# Altium PCB Arribada-PMP-PCB.PcbDoc (part 2 of 3) (continued)
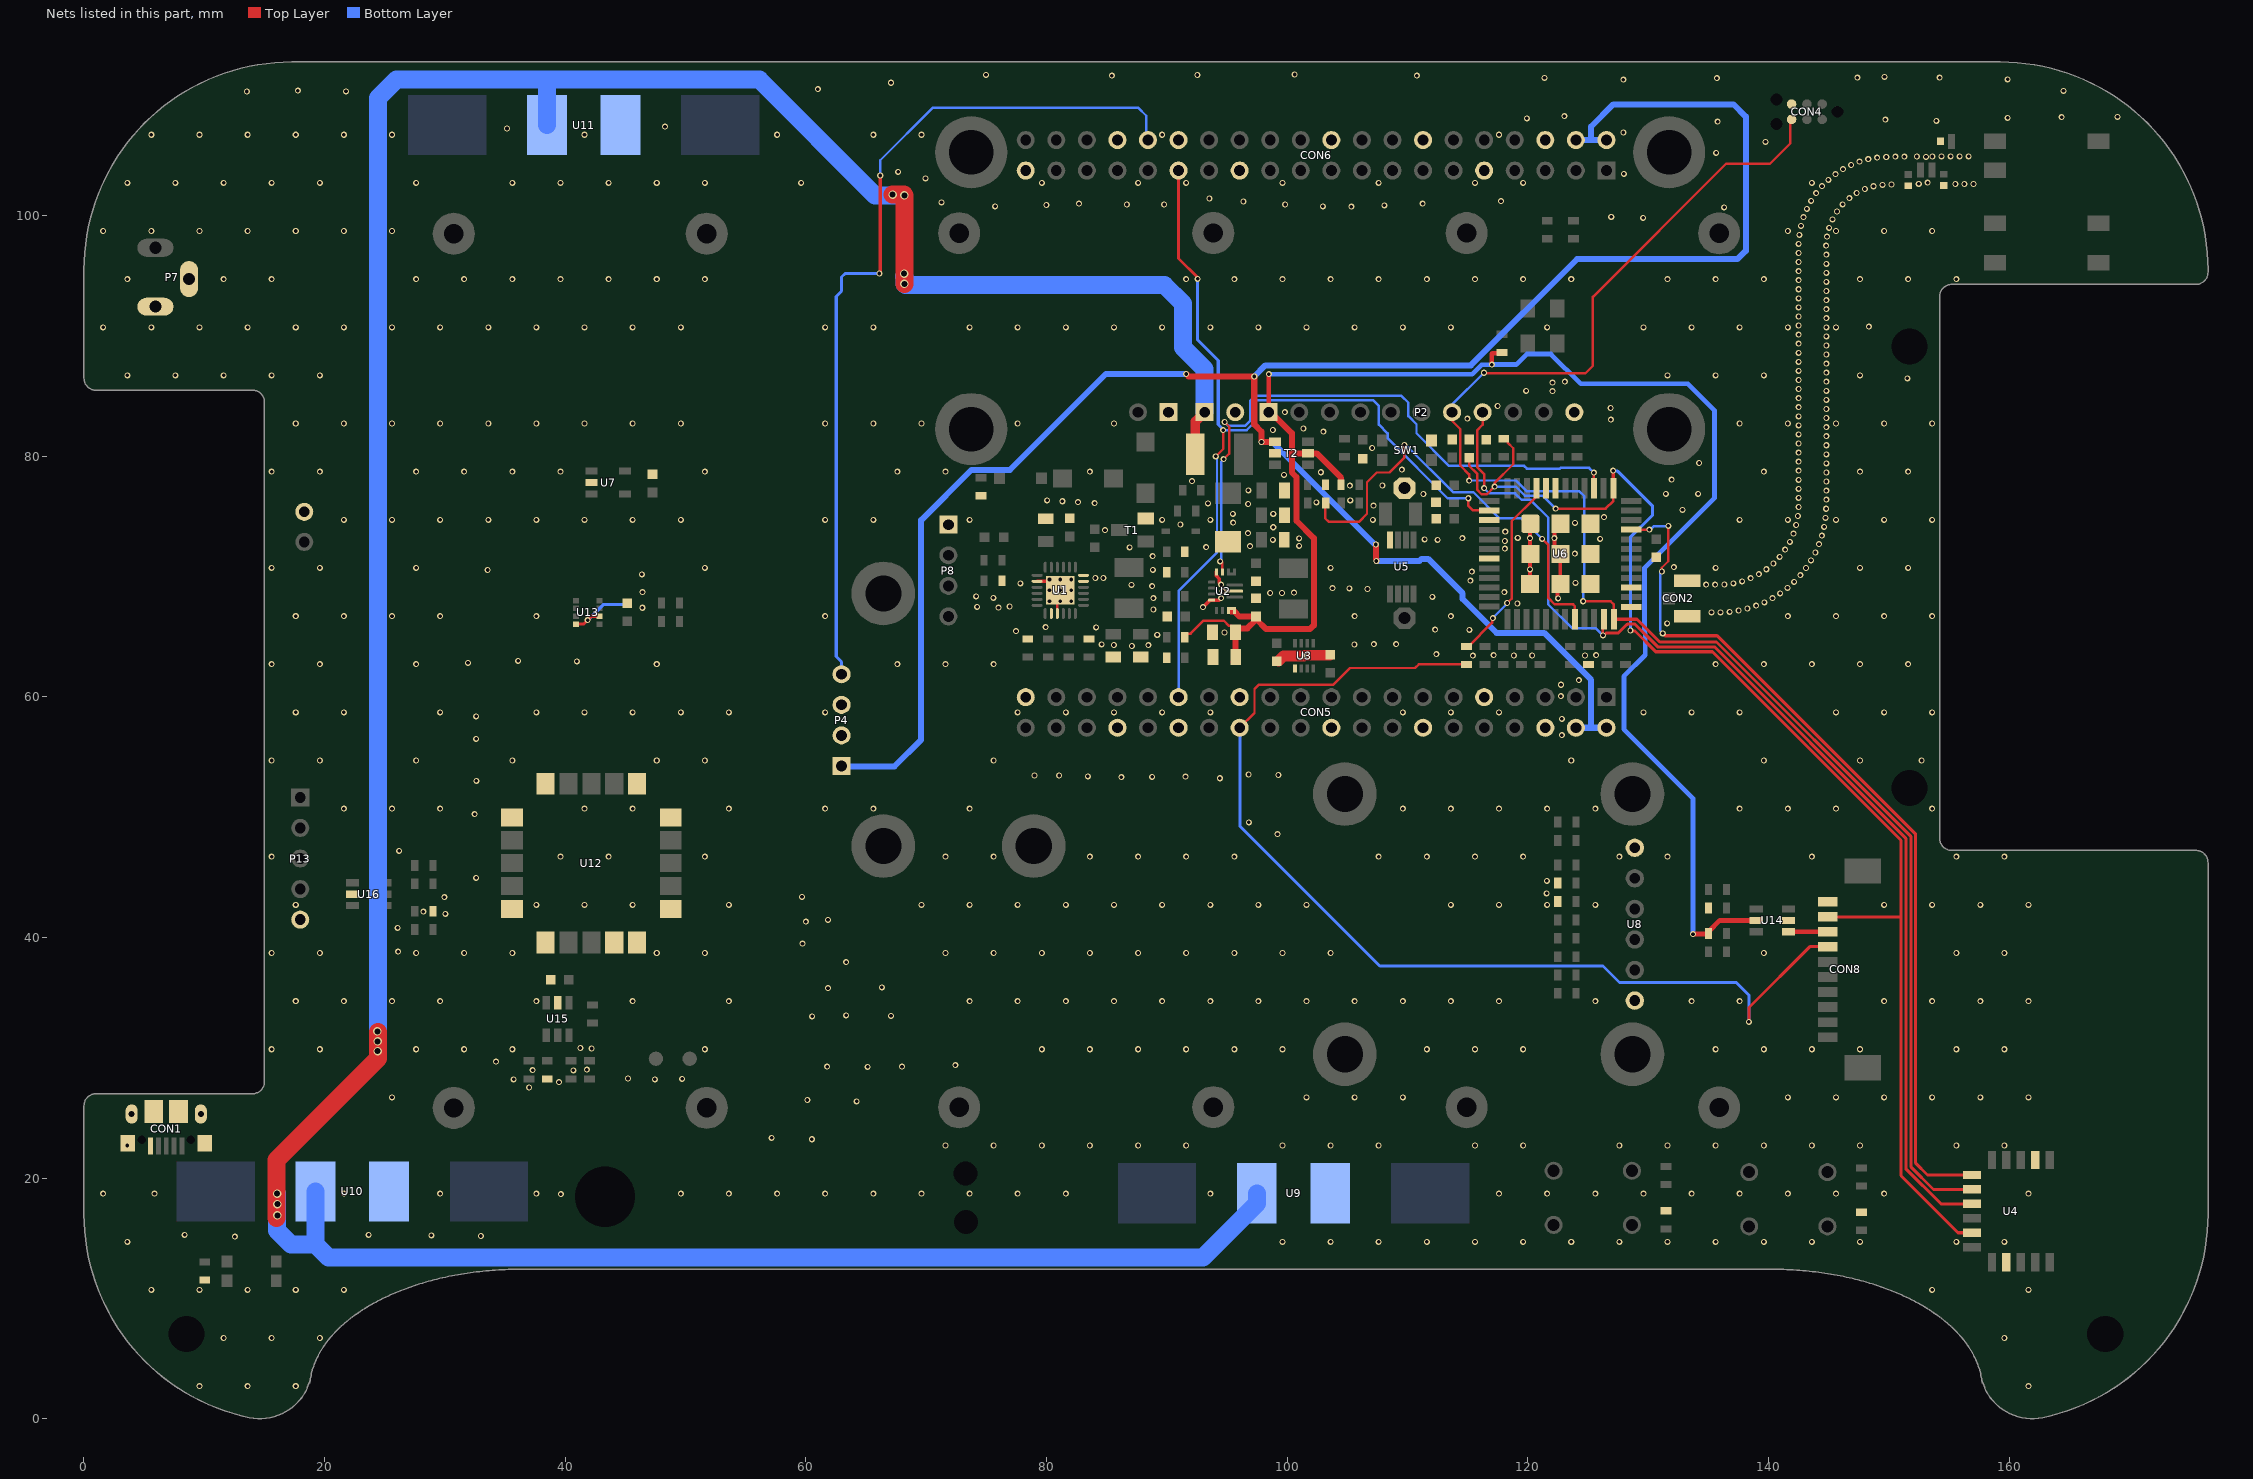
[diagram p2: the nets of this part, all layers, seen from the top]
## Part data (continued)
T1: "ON SEMICONDUCTOR/FAIRCHILD - MMBT3904 - TRANSISTOR, NPN, SOT-23", Collector Emitter Saturation Voltage Vce(on)=200, Collector Emitter Voltage V(br)ceo=40, Current Ic hFE=10, DC Current Gain hFE=300, Manufacturer="ON SEMICONDUCTOR/FAIRCHILD", Operating Temperature Max=150, Operating Temperature Min=-55, Operating Temperature Range="-55°C to +150", Power Dissipation Pd=350, Supplier Part Number 1=9846727, Transistor Case Style=SOT-23, Voltage Vcbo="60V<!--FANDB--><div class=\"features-and-benefits-container\"><div class=\"features-and-benefits-description\"><span class=\"features-benefits-value\">The MMBT3904 from Fairchild is a surface mount, NPN general purpose amplifier in SOT-23 package. This device is suitable for general purpose amplification and switching applications.</span></div><div class=\"features-and-benefits-list\"><ul class=\"features-and-benefits-list-list\"><li class=\"features-and-benefits-list-item\">Collector to emitter voltage (Vce) of 40V</li><li class=\"features-and-benefits-list-item\">Collector to emitter saturation voltage of 300mV at 50mA collector current</li><li class=\"features-and-benefits-list-item\">Power dissipation of 350mW</li><li class=\"features-and-benefits-list-item\">DC collector current of 200mA</li><li class=\"features-and-benefits-list-item\">DC current gain of 30 at Ic=100mA</li><li class=\"features-and-benefits-list-item\">Operating junction temperature range from -55°C to 150", Automotive Qualification Standard=-, ComponentLink1Description=http://www.farnell.com/datasheets/2304127.pdf, ComponentLink1URL=http://www.farnell.com/datasheets/2304127.pdf, ComponentLink2Description=http://www.farnell.com/datasheets/1942444.pdf, ComponentLink2URL=http://www.farnell.com/datasheets/1942444.pdf, Continuous Collector Current Ic Max=200, Current Ic Continuous a Max=200, DC Collector Current=200, Device Marking=BT3904, Gain Bandwidth ft Min=300, Gain Bandwidth ft Typ=300, hFE Min=100, Manufacturer Part Number=MMBT3904, MSL="MSL 1 - Unlimited", No. of Pins=3, No. of Transistors=1, Noise Factor Max=5, Packaging="Cut Tape", Power Dissipation Ptot Max=350, Pricing 1="5=0.121, 50=0.043, 250=0.0401, 500=0.0261, 1500=0.0256 (GBP)", Product Range=-, RoHS=YES, SMD Marking=1, Stock 1=54090, Supplier 1=Farnell, SVHC="No SVHC (15-Jun-2015)", Transistor Polarity=NPN, Transition Frequency ft=300
T2: "DIODES INC. - DMG6602SVT - MOSFET, NP CH, , 30V, 3.4, ATSOT23", Continuous Drain Current Id=3.4, Continuous Drain Current Id, P Channel=-2.8, Drain Source Voltage Vds=30, Drain Source Voltage Vds, P Channel=-30, Manufacturer="DIODES INC.", On Resistance Rds(on)=0.038, On Resistance Rds(on), P Channel=0.073, Operating Temperature Max=150, Operating Temperature Min=-55, Operating Temperature Range="-55°C to +150°C<!--FANDB--><div class=\"features-and-benefits-container\"><div class=\"features-and-benefits-description\"><span class=\"features-benefits-value\">The DMG6602SVT from Diode Inc is a surface mount complementary pair enhancement mode MOSFET in TSOT-26 package. This MOSFET features low input capacitance, fast switching speed and low input/output leakage, designed to minimize the onstate resistance and maintain superior switching performance, making it ideal for high efficiency power management applications and backlighting.</span></div><div class=\"features-and-benefits-list\"><ul class=\"features-and-benefits-list-list\"><li class=\"features-and-benefits-list-item\">Automotive grade AEC-Q101 qualified</li><li class=\"features-and-benefits-list-item\">UL recognized</li><li class=\"features-and-benefits-list-item\">Drain to source voltage (Vds) of 30V</li><li class=\"features-and-benefits-list-item\">Gate to source voltage (Vgs) of ±20V</li><li class=\"features-and-benefits-list-item\">Continuous drain current of 3.4A</li><li class=\"features-and-benefits-list-item\">Power dissipation (Pd) of 1.27W</li><li class=\"features-and-benefits-list-item\">Operating temperature range -55°C to 150°C</li><li class=\"features-and-benefits-list-item\">Low on state resistance of 38mohm at Vgs of 10", Power Dissipation Pd=1.12, Rds(on) Test Voltage Vgs=10, Supplier Part Number 1=2061522, Threshold Voltage Vgs=1, Transistor Case Style=TSOT-26, Automotive Qualification Standard=-, ComponentLink1Description=http://www.farnell.com/datasheets/1915929.pdf, ComponentLink1URL=http://www.farnell.com/datasheets/1915929.pdf, Continuous Drain Current Id, N Channel=3.4, Drain Source Voltage Vds, N Channel=30, Manufacturer Part Number=DMG6602SVT, Module Configuration=Dual, MSL=-, No. of Pins=6, On Resistance Rds(on), N Channel=0.038, Pricing 1="1=0.363, 25=0.339, 100=0.169, 250=0.166, 500=0.108, 1000=0.0809, 2000=0.0793, 6000=0.0777 (GBP)", Product Range=-, RoHS=YES, Stock 1=4881, Supplier 1=Farnell, SVHC="No SVHC (17-Dec-2015)", Transistor Polarity="N and P Channel"
TP1 TP2: "TEST POINT ROUND SMD", ComponentLink1Description=Datasheet, FIT=0.94, Komp / Device=SMD
U1: "IC LI+ CHARGER PWR MGMT 24VQFN", Battery Pack Voltage=4.2V, Charge Current - Max=3A, Current - Charging="Constant - Programmable", Manufacturer="Texas Instruments", Operating Temperature="-40°C ~ 85°C (TA)", Package / Case="24-VFQFN Exposed Pad", Supplier Device Package="24-VQFN (4x4)", Supplier Part Number 1=2373541, Voltage - Supply (Max)=6.2V, Battery Chemistry=Lithium-Ion/Polymer, Category="Integrated Circuits (ICs)", ComponentLink1Description=http://www.ti.com/lit/ds/symlink/bq24296.pdf, ComponentLink1URL=http://www.ti.com/lit/ds/symlink/bq24296.pdf, Fault Protection="Over Current, Over Temperature, Over Voltage", Interface=I²C, Manufacturer Part Number=BQ24296RGET, Number of Cells=1, Packaging="Cut Tape (CT)", Part Status=Active, Programmable Features=-, RoHS="RoHS Compliant", Supplier 1=Farnell
U2: "TEXAS INSTRUMENTS - TPS630701RNMT - DC/DC CONV, BUCK-BOOST, 2.4MHZ, VQFN-15", DC / DC Converter IC Case=VQFN, Input Voltage Max=16, Input Voltage Min=2, Manufacturer="TEXAS INSTRUMENTS", Operating Temperature Max=125, Output Voltage Nom.=5, Supplier Part Number 1=2643432, Switching Frequency=2.4, Automotive Qualification Standard=-, ComponentLink1Description=http://www.ti.com/general/docs/lit/getliterature.tsp?genericPartNumber=TPS63070&fileType=pdf, ComponentLink1URL=http://www.ti.com/general/docs/lit/getliterature.tsp?genericPartNumber=TPS63070&fileType=pdf, Manufacturer Part Number=TPS630701RNMT, MSL="MSL 1 - Unlimited", No. of Pins=15, Output Current=2, Packaging="Cut Tape", Pricing 1="1=2.23, 10=1.87, 100=1.7, 250=1.56, 500=1.47, 1000=1.21 (GBP)", Product Range=-, RoHS=YES, Stock 1=456, Supplier 1=Farnell, SVHC="No SVHC (17-Dec-2015", Topology=Buck-Boost
U3: library part "V_LIN - MCP1810T-30I/J8A", "IC REG LINEAR 3V 150MA 8VDFN", Manufacturer=Microchip, Supplier Part Number 1=2678433, ComponentLink1Description=http://www.farnell.com/datasheets/2182064.pdf?src-supplier=Farnell, ComponentLink1URL=http://www.farnell.com/datasheets/2182064.pdf?src-supplier=Farnell, ComponentLink2Description=http://www.microchip.com/mymicrochip/filehandler.aspx?ddocname=en587589&src-supplier=Digi-Key, ComponentLink2URL=http://www.microchip.com/mymicrochip/filehandler.aspx?ddocname=en587589&src-supplier=Digi-Key, Manufacturer Part Number=MCP1810T-30I/J8A, Pricing 1="1 = 0.41700, 25 = 0.35100, 100 = 0.31200 (EUR)", RoHS=No, Stock 1=121, Supplier 1=Farnell
U4: library part RN4871-V/RM118, "MICROCHIP         RN4871-V/RM118             BLE MOD W/ANTENNA, 2.442MHZ, 0.1DBI                          New", Manufacturer=Microchip, Operating Temperature Max=70°C, Operating Temperature Min=-20°C, Supplier Part Number 1=2664514, Supply Voltage Max=3.6V, Supply Voltage Min=1.9V, Bluetooth Class="Class 2", Bluetooth Version="Bluetooth 4.2", Data Rate=-, Manufacturer Part Number=RN4871-V/RM118, Pricing 1="1=5.4, 25=5.08, 100=4.98 (GBP)", Product Range="RN Series", Receive Sensitivity=-90dBm, Signal Range Max=-, Stock 1=2428, Supplier 1=Farnell, SVHC="No SVHC (17-Dec-2015)"
U5: "IC RTC/CALENDAR I2C LP 8MSOP", Case/Package=MSOP, Manufacturer=Intersil, Max Operating Temperature=85°C, Max Supply Voltage=5.5V, Min Operating Temperature=-40°C, Min Supply Voltage=2.7V, Package Quantity=250, Supplier Part Number 1=2543322, ComponentLink1Description=https://datasheet.ciiva.com/16293/fn8085-16293145.pdf, ComponentLink1URL=https://datasheet.ciiva.com/16293/fn8085-16293145.pdf, ComponentLink2Description=https://datasheet.ciiva.com/8145/fn8085-8145071.pdf, ComponentLink2URL=https://datasheet.ciiva.com/8145/fn8085-8145071.pdf, ComponentLink3Description=https://datasheet.ciiva.com/6668/fn8085-6668119.pdf, ComponentLink3URL=https://datasheet.ciiva.com/6668/fn8085-6668119.pdf, ComponentLink4Description=https://datasheet.ciiva.com/6668/fn8085-6668117.pdf, ComponentLink4URL=https://datasheet.ciiva.com/6668/fn8085-6668117.pdf, ComponentLink5Description=https://datasheet.ciiva.com/6668/fn8085-6668118.pdf, ComponentLink5URL=https://datasheet.ciiva.com/6668/fn8085-6668118.pdf, Date Format=YY-MM-DD-dd, Interface=I2C,Serial,2-Wire, Lead Free="Lead Free", Logic Function=Clock, Manufacturer Part Number=ISL1208IU8Z-T7A, Memory Size=2B, Mount="Surface Mount", Non-volatile Memory Size=2B, Number of Pins=8, Packaging="Tape and Reel", Pricing 1="1=2.63, 10=2.24, 25=2.12, 50=2.01, 100=1.89, 250=1.84, 500=1.65, 1000=1.37 (EUR)", Radiation Hardening=No, REACH SVHC=Unknown, Stock 1=321, Supplier 1=Farnell, Time Format=HH:MM:SS
U6: library part "Lora Module Murata", "Lora Module Murata", Manufacturer=Murata, Manufacturer Part Number=CMWX1ZZABZ-091, Supplier Part Number 1=2802546, Pricing 1="1=11.7, 5=11.06, 10=9.94, 50=9.54, 100=9.14, 250=8.05 (GBP)", Stock 1=175, Supplier 1=Farnell
U7: "MICROCHIP   24AA02E48T-I/OT   EEPROM, EUI-48 Node Identity, 2 Kbit, 2 BLK (128K x 8bit), 400 kHz, I2C, SOT-23, 5 Pins", Case/Package=SOT-23, Frequency=400kHz, Manufacturer=Microchip, Max Frequency=100kHz, Max Operating Temperature=85°C, Max Supply Voltage=5.5V, Min Operating Temperature=-40°C, Min Supply Voltage=1.7V, Nominal Supply Current=3mA, Operating Supply Voltage=5V, Package Quantity=3000, Supplier Part Number 1=1688855, Access Time=3500ns, ComponentLink1Description=http://www.farnell.com/datasheets/1725195.pdf?src-supplier=Element14, ComponentLink1URL=http://www.farnell.com/datasheets/1725195.pdf?src-supplier=Element14, ComponentLink2Description=http://www.farnell.com/datasheets/631538.pdf?src-supplier=Element14, ComponentLink2URL=http://www.farnell.com/datasheets/631538.pdf?src-supplier=Element14, ComponentLink3Description=http://ww1.microchip.com/downloads/en/DeviceDoc/22124D.pdf?src-supplier=Avnet+Europe, ComponentLink3URL=http://ww1.microchip.com/downloads/en/DeviceDoc/22124D.pdf?src-supplier=Avnet+Europe, ComponentLink4Description=http://www.microchip.com/mymicrochip/filehandler.aspx?ddocname=en538826&src-supplier=Future+Electronics, ComponentLink4URL=http://www.microchip.com/mymicrochip/filehandler.aspx?ddocname=en538826&src-supplier=Future+Electronics, ComponentLink5Description=http://www.produktinfo.conrad.com/datenblaetter/650000-674999/651228-da-01-en-EEPROM_24AA02E48T_I_OT_SOT_23_5_MCP.pdf?src-supplier=Conrad, ComponentLink5URL=http://www.produktinfo.conrad.com/datenblaetter/650000-674999/651228-da-01-en-EEPROM_24AA02E48T_I_OT_SOT_23_5_MCP.pdf?src-supplier=Conrad, Density=2Kb, Height=1.3mm, Interface=I2C,Serial, Lead Free="Lead Free", Length=3.1mm, Manufacturer Part Number=24AA02E48T-I/OT, Memory Size=2Kb, Memory Type=EEPROM, Mount="Surface Mount", Number of Pins=5, Packaging="Tape and Reel", Pricing 1="1 = 0.17600, 10 = 0.17100, 25 = 0.16400, 50 = 0.16000, 100 = 0.15600 (GBP)", Radiation Hardening=No, REACH SVHC="No SVHC", RoHS=Yes, Stock 1=13638, Supplier 1=Farnell, Termination=SMD/SMT, Width=1.8mm
U8: Supplier Part Number 1="OLED SSD 1306 display"
U9 U10 U11: Supplier Part Number 1="Battery protection"
U12: library part "RF - UBLOX-SAM-M8Q", "SAM-M8 RF Receiver BeiDou, Galileo, GLONASS, GNSS, GPS -160dBm", Manufacturer=u-blox, Manufacturer Part Number=MAX-M8Q-0, Supplier Part Number 1=672-1054-1-ND, Stock 1=10805, Supplier 1=Digi-Key
U13: library part "SEN - BME280", "Humidity Temperature Sensor 0 ~ 100% RH I²C, SPI ±3% 1s Surface Mount", Supplier Part Number 1=828-1063-6-ND, ComponentLink1Description=Datasheet, ComponentLink1URL=https://ae-bst.resource.bosch.com/media/_tech/media/datasheets/BST-BME280-DS002.pdf, Supplier 1=Digi-Key
U14 U15 U16: library part "T_M - DMG6602SVT", "Dual MOSFET, N and P Channel, 3.4 A, 30 V, 0.038 ohm, 10 V, 1 V", Supplier Part Number 1=2061522, ComponentLink1Description=Datasheet, ComponentLink1URL=http://www.farnell.com/datasheets/1915929.pdf?_ga=2.95290844.1984085946.1565589483-1741076818.1563951383, Supplier 1=Farnell
X1: library part LFXTAL009678, "CRYSTAL, 32.768KHZ, 12.5PF, SMD", Case/Package=217, Frequency=32.8kHz, Load Capacitance=12.5pF, Manufacturer=IQD, Max Operating Temperature=85°C, Min Operating Temperature=-40°C, Supplier Part Number 1=2449398, ComponentLink1Description=https://datasheet.ciiva.com/46419/1852967-46419749.pdf, ComponentLink1URL=https://datasheet.ciiva.com/46419/1852967-46419749.pdf, Manufacturer Part Number=LFXTAL009678, Number of Pins=2, Pricing 1="5=0.283, 50=0.203, 250=0.169, 500=0.163, 1500=0.157, 3000=0.152, 15000=0.146 (EUR)", REACH SVHC="No SVHC", Stock 1=15609, Supplier 1=Farnell
?: "PCB top overlay Serial number frame"

## Free pads (board coordinates)
  round 6 hole 3.7: 0(73.736,105.251) 0(73.737,82.251) 0(131.736,105.251) 0(131.737,82.251)
  oval 0.8x1.6 hole 3: ""(8.528,7.034) ""(151.715,52.421) ""(151.715,89.121) ""(167.98,7.06)
  oval 0.8x1.6 hole 5: ""(43.296,18.451)
  round 5.3 hole 3: ""(66.431,47.595) ""(66.431,68.595) ""(78.931,47.595) ""(104.782,30.294) ""(104.782,51.914) ""(128.682,30.294) ""(128.682,51.914)
  oval 0.8x1.6 hole 2: ""(73.266,20.381) ""(73.286,16.371)

## Via types
v1: diameter 0.5, hole 0.3, Top Layer to Bottom Layer, tented both sides, 974 vias
v2: diameter 0.7, hole 0.5, Top Layer to Bottom Layer, tented both sides, 10 vias

## Nets (pads, with @x,y where several pads share a name; then routed paths per layer and width w, separated by ;. In a path a pad name is that pad's centre, name@x,y a point inside that pad or via, vN(x,y) a via of type N, cw(c..) or ccw(c..) an arc to the next point about the centre after c; other vN are vias at no path point)
5V_FET_OUT: CON5.2 CON5.4 CON6.2 CON6.4 P4.1 T2.4 | length 183.3
  Top Layer w0.5: v1(91.596,86.831) 91.806,86.621 v1(97.256,86.621) 97.256,82.639 97.857,82.039 v1(97.857,81.176) 98.987,81.176 T2.4@98.992,81.181 ; v1@107.367,71.437 107.408,71.395 v1(107.408,71.29) ; v1@107.367,71.437 v1(107.367,72.661)
  Bottom Layer w0.5: P4.1@62.665,53.742 63.128,54.205 67.355,54.205 69.575,56.425 69.575,74.683 73.74,78.849 76.951,78.849 84.933,86.831 v1(91.596,86.831) ; v1(97.256,86.621) 98.176,87.541 115.252,87.541 124.076,96.366 137.409,96.366 138.105,97.061 138.105,108.222 137.086,109.241 127.096,109.241 125.254,107.399 125.254,106.271 ; v1(97.857,81.176) 98.768,81.176 107.283,72.661 v1(107.367,72.661) ; v1(107.408,71.29) 110.993,71.29 111.167,71.464 111.707,71.464 114.573,68.597 114.573,68.129 117.391,65.311 121.346,65.311 125.255,61.403 125.255,57.428 ; CON5.4@123.985,57.428 125.255,57.428 ; CON6.4@123.984,106.271 125.254,106.271 ; CON5.2@126.525,57.428 125.255,57.428 ; CON6.2@126.524,106.271 125.254,106.271
+5V: C9.2 C10.2 C11.2 P2.1 R4.2 R17.1 R54.2 R61.2 T2.2 U2.7 U2.8 U14.2 | length 141.5
  Top Layer w0.203: R4.2@91.487,64.951 91.487,65.05 91.685,65.248 91.964,65.248 93.047,66.331 94.717,66.331 95.148,65.9 95.348,65.9 C9.2@95.567,65.681
  Top Layer w0.4: P2.1@98.457,83.651 98.466,83.66 v1(98.466,86.811) ; v1(116.996,87.611) 116.996,88.511 117.035,88.55 117.765,88.55 R61.2@117.836,88.621 ; v1(133.716,40.281) 133.735,40.3 134.906,40.3 135.006,40.4 135.006,40.491 135.936,41.421 U14.2@138.966,41.421
  Top Layer w0.5: 95.317,67.101 95.594,67.101 96.019,66.676 C11.2@97.402,66.676 97.402,66.465 98.247,65.619 101.883,65.619 102.207,65.942 102.207,73.192 100.767,74.632 100.767,78.251 100.377,78.641 100.377,80.231 ; C10.2@95.517,62.911 95.717,63.111 C10.2@95.717,63.311 95.697,63.331 95.697,64.201 95.717,64.221 C9.2@95.717,65.351 ; C9.2@95.567,65.681 96.678,65.681 C11.2@97.316,66.319 ; 95.717,64.181 95.717,64.201 ; P2.1@98.637,83.651 100.377,81.911 100.377,80.231 ; R17.1@104.477,77.621 104.477,78.192 102.438,80.231 T2.2@101.742,80.231 100.377,80.231
  Bottom Layer w0.4: v1(98.466,86.811) 115.374,86.811 116.155,87.592 116.976,87.592 v1(116.996,87.611) 119.034,87.611 119.904,88.481 121.916,88.481 124.387,86.01 133.293,86.01 135.495,83.808 135.495,76.518 129.696,70.719 129.696,65.327 129.747,65.277 129.747,63.474 127.978,61.705 127.978,57.299 133.716,51.561 v1(133.716,40.281)
+5V_FET_OUT: CON8.8 U14.4 | length 3.3
  Top Layer w0.4: U14.4@141.666,40.471 141.668,40.469 144.923,40.469 CON8.8@144.926,40.466
+VBAT: F1.2 P1.1 U9.2 U10.2 U11.2 | length 290.4
  Top Layer w0.8: F1.2@92.367,80.151 92.367,82.881 P1.1@93.137,83.651
  Top Layer w1.5: v2@15.995,16.671 15.995,21.501 24.435,29.941 v2@24.435,32.131 ; v2(67.205,101.731) 68.13,101.731 68.185,101.676 v2(68.185,94.321)
  Bottom Layer w1.5: v2@16.055,16.901 16.055,15.641 ; v2(16.055,18.711) 16.055,15.641 ; U10.2@19.25,18.89 19.25,14.485 ; v2@24.425,30.551 24.425,32.191 24.425,109.774 25.957,111.307 38.486,111.307 U11.2@38.486,107.517 ; 38.616,111.307 56.122,111.307 65.753,101.676 v2@68.147,101.676 ; v2@68.165,94.947 68.185,94.926 v2(68.185,94.321) 68.279,94.227 89.779,94.227 91.336,92.67 91.336,89.036 93.137,87.236 P1.1@93.137,83.651 ; U9.2@97.476,18.736 97.476,17.886 92.986,13.396 20.338,13.396 19.25,14.485 ; 16.055,15.641 17.211,14.485 19.25,14.485
  other v2: 16.065,16.901 16.065,17.841 24.405,30.551 24.405,31.361 24.375,32.191 68.164,95.163 68.175,101.676
BLE_RST: C16.2 CON8.9 R30.1 U4.10 U6.37 | length 110.5
  Top Layer w0.203: C16.2@115.117,79.881 115.117,79.201 115.771,78.548 115.771,77.218 116.156,76.832 116.594,76.832 v1(117.232,77.47) 117.232,77.78 118.777,79.324 118.777,80.651 118.335,81.093 118.335,81.243 118.137,81.441 R30.1@117.987,81.441 ; v1(122.297,75.641) 126.462,75.641 127.107,76.286 U6.37@127.107,77.336
  Top Layer w0.254: v1(127.076,78.801) 127.091,78.786 127.091,77.352 U6.37@127.107,77.336 ; v1(128.516,65.511) 128.563,65.464 128.9,65.464 130.622,63.742 135.335,63.742 151.005,48.072 151.005,41.721 ; CON8.9@144.926,41.716 151,41.716 151.005,41.721 ; U4.10@156.916,15.459 155.747,15.459 151.005,20.201 151.005,41.721
  Bottom Layer w0.203: v1(117.232,77.47) 118.986,77.47 119.739,76.717 121.221,76.717 122.242,75.695 122.242,75.587 v1@122.245,75.584
  Bottom Layer w0.254: v1(127.076,78.801) 127.123,78.754 127.455,78.754 130.362,75.848 130.362,75.115 128.516,73.269 v1(128.516,65.511)
BLE_RX: CON4.6 P2.7 U4.7 U6.24 | length 137.7
  Top Layer w0.203: P2.7@113.697,83.651 113.697,82.937 114.376,82.258 114.376,79.23 115.117,78.489 v1(115.117,77.961) ; v1(116.346,86.931) 116.4,86.877 124.762,86.877 125.402,87.517 125.402,93.232 136.471,104.302 140.119,104.302 141.803,105.986 141.803,107.874 CON4.6@141.915,107.986 ; v1(124.595,67.941) 126.867,67.941 127.147,67.661 U6.24@127.147,66.431
  Top Layer w0.254: U6.24@127.147,66.431 127.162,66.447 129.067,66.447 130.959,64.555 135.671,64.555 151.818,48.408 151.818,20.948 153.706,19.059 U4.7@156.916,19.059
  Bottom Layer w0.203: P2.7@113.697,83.651 113.697,84.282 v1(116.346,86.931) ; v1(115.117,77.961) 115.13,77.974 119.012,77.974 119.914,77.072 124.286,77.072 124.68,76.678 124.68,68.78 124.595,68.695 v1(124.595,67.941)
BLE_TX: P2.8 U4.8 U6.23 | length 94.6
  Top Layer w0.203: v1(116.365,77.336) 116.365,78.517 115.772,79.11 115.772,82.141 116.237,82.606 P2.8@116.237,83.651 P2.8@116.365,83.523 ; v1(126.237,65.101) 126.237,66.362 U6.23@126.306,66.431
  Top Layer w0.254: v1(126.237,65.101) 126.303,65.101 126.503,65.301 127.511,65.301 128.232,66.021 128.277,66.021 128.296,66.041 128.899,66.041 130.791,64.148 135.503,64.148 151.411,48.24 151.411,20.779 154.332,17.859 U4.8@156.916,17.859
  Bottom Layer w0.203: v1(116.365,77.336) 116.79,76.911 118.935,76.911 119.485,76.361 120.22,76.361 121.693,74.888 121.693,67.685 123.667,65.711 125.627,65.711 v1(126.237,65.101)
BLE_UART_RX_IND: U4.6 U6.33 | length 72.8
  Top Layer w0.203: U6.33@128.597,73.886 130.09,73.886 v1(130.095,73.891) ; v1(131.125,70.411) 131.125,70.721 131.665,71.261 v1(131.665,74.201)
  Top Layer w0.254: v1(131.205,65.271) 131.403,65.073 135.728,65.073 152.224,48.577 152.224,21.242 153.207,20.259 U4.6@156.916,20.259
  Bottom Layer w0.203: v1(130.095,73.891) 130.175,73.891 130.441,74.157 131.621,74.157 v1(131.665,74.201) ; v1(131.125,70.411) 131.01,70.296 131.01,65.467 v1(131.205,65.271)
DIO1: R33.1 U6.45 | length 15.6
  Top Layer w0.203: R33.1@114.899,64.191 115.049,64.191 117.027,66.169 117.027,66.484 v1(117.084,66.541) ; v1(118.277,67.791) 118.651,68.165 118.651,73.42 118.651,74.605 120.699,76.652 120.699,77.328 U6.45@120.707,77.336
  Bottom Layer w0.203: v1(117.084,66.541) 117.084,66.57 118.277,67.763 v1(118.277,67.791)
DIO1*: CON5.26 CON8.7 R33.2 | length 90.5
  Top Layer w0.203: CON5.26@96.045,57.428 97.279,58.662 97.279,60.653 97.621,60.995 103.8,60.995 105.2,62.394 110.628,62.394 110.924,62.691 R33.2@114.899,62.691
  Top Layer w0.254: v1@138.366,33.061 138.366,34.172 143.425,39.231 144.911,39.231 CON8.7@144.926,39.216
  Bottom Layer w0.254: CON5.26@96.045,57.428 96.054,57.419 96.054,49.258 107.69,37.622 126.235,37.622 127.604,36.252 137.32,36.252 138.366,35.206 v1(138.366,32.991)
ENABLE_5V: U2.14 U6.39 | length 51
  Top Layer w0.203: v1(94.427,71.251) 94.541,71.251 94.614,71.179 U2.14@94.614,70.381 ; v1(94.717,79.749) 95.181,80.213 95.181,82.441 94.797,82.825 v1(94.797,82.841) ; v1(125.487,78.626) 125.487,77.378 125.497,77.367 125.487,77.357 U6.39@125.507,77.336
  Bottom Layer w0.203: v1(94.427,71.251) 94.427,71.331 94.518,71.423 94.518,79.55 v1(94.717,79.749) ; v1(94.797,82.841) 95.127,82.511 96.477,82.511 96.935,82.969 96.935,84.626 97.319,85.011 99.459,85.011 99.463,85.007 100.43,85.007 100.434,85.011 109.489,85.011 110.067,84.433 110.067,83.321 110.741,82.647 110.741,81.898 113.445,79.194 119.68,79.194 119.91,78.964 122.646,78.964 122.708,79.025 125.087,79.025 v1(125.487,78.626)
GND: C1.2 C2.2 C4.2 C5.2 C6.1 C7.1 C8.1 C9.1 C10.1 C11.1 C12.1 C13.1 C14.2 C15.2 C16.1 C17.1 C18.1 C19.1 C20.1 C22.2 C23.2 C24.1 C25.1 C26.1 CON1.5 CON1.6 CON1.7 CON1.8 CON1.9 CON1.10 CON1.11 CON2.2 CON3.NEG CON4.5 CON5.6 CON5.9 CON5.14 CON5.20 CON5.25 CON5.30 CON5.34 CON5.39 CON6.6 CON6.9 CON6.14 CON6.20 CON6.25 CON6.30 CON6.34 CON6.39 CON7.2 CON8.10 D1.2 D7.1 L3.1 L4.1 L5.1 P1.2 P2.11 P3.1 P4.2 P4.3 P7.2 P7.3 P8.1 P13.5 R2.1 R8.1 R10.1 R12.1 R13.1 R14.1 R15.1 R20.2 R32.1 R39.1 R40.2 R41.1 R47.2 R49.2 R51.2 R53.2 R62.2 SW1.1 T1.2 T2.5 U1.2 U1.8 U1.9 U1.17 U1.18 U1.25 U2.4 U2.10 U2.15 U3.0 U3.1 U4.2 U4.13 U5.4 U6.3 U6.7 U6.25 U6.27 U6.43 U6.44 U6.49 U6.50 U6.51 U6.52 U6.53 U6.54 U6.55 U6.56 U6.57 U7.2 U8.1 U8.6 U9.3 U10.3 U11.3 U12.1 U12.4 U12.5 U12.6 U12.10 U12.11 U12.15 U12.16 U12.20 U13.1 U13.7 U14.5 U15.5 U16.5 | length 30.1
  Top Layer w0.203: U1.9@80.887,66.926 80.887,68.601 v1(81.137,68.851)
  Top Layer w0.254: U13.1@40.89,66.046 41.535,66.046 v1(41.86,66.371) 42.185,66.696 U13.7@42.83,66.696
  Top Layer w0.3: U1.2@79.212,69.601 80.387,69.601 v1(81.137,68.851) ; v1(92.997,67.451) 93.577,68.031 U2.4@93.714,68.031 94.342,68.031 v1(94.507,68.196) ; U2.15@94.114,70.381 94.114,70.052 94.357,69.81 94.357,69.471 v1(94.507,69.321) ; C13.1@99.112,62.963 C13.1@99.262,62.963 ; U3.0@101.397,63.401 U3.0@101.45,63.454 ; C14.2@103.53,63.454 C14.2@103.584,63.508 ; U6.55@120.174,69.381 v1(120.174,70.591) 120.174,74.356 U6.49@120.199,74.381 ; v1(122.517,68.181) 122.517,68.168 122.454,68.105 122.454,69.136 U6.56@122.699,69.381 U6.53@122.699,71.881 122.207,72.373 122.207,73.889 U6.50@122.699,74.381
  Top Layer w0.9: C13.1@99.262,62.963 99.699,63.401 U3.0@101.397,63.401 ; U3.0@101.45,63.454 C14.2@103.53,63.454
  Bottom Layer w0.254: v1(41.86,66.371) 43.15,67.661 45.305,67.661
  other v1: 9.601,2.71 13.601,2.71 17.601,2.71 161.601,2.71 11.601,6.71 15.601,6.71 19.601,6.71 159.601,6.71 5.601,10.71 9.601,10.71 13.601,10.71 17.601,10.71 21.601,10.71 153.601,10.71 161.601,10.71 3.601,14.71 99.601,14.71 103.601,14.71 107.601,14.71 111.601,14.71 115.601,14.71 119.601,14.71 123.601,14.71 127.601,14.71 131.601,14.71 135.601,14.71 139.601,14.71 143.601,14.71 147.601,14.71 155.601,14.71 159.601,14.71 12.535,15.141 32.985,15.191 28.875,15.251 8.365,15.291 23.655,15.291 39.635,18.671 1.601,18.71 5.865,18.711 21.601,18.71 29.601,18.71 37.601,18.71 49.601,18.71 53.601,18.71 57.601,18.71 61.601,18.71 65.601,18.71 69.601,18.71 73.601,18.71 77.601,18.71 81.601,18.71 93.601,18.71 117.601,18.71 121.601,18.71 125.601,18.71 129.601,18.71 133.601,18.71 137.601,18.71 141.601,18.71 145.601,18.71 149.601,18.71 161.601,18.71 3.601,22.71 71.601,22.71 75.601,22.71 79.601,22.71 83.601,22.71 87.601,22.71 91.601,22.71 99.601,22.71 103.601,22.71 107.601,22.71 115.601,22.71 119.601,22.71 127.601,22.71 131.601,22.71 135.601,22.71 139.601,22.71 143.601,22.71 147.601,22.71 155.601,22.71 159.601,22.71 60.485,23.231 57.145,23.341 64.215,26.381 60.115,26.491 25.601,26.71 101.601,26.71 105.601,26.71 109.601,26.71 141.601,26.71 145.601,26.71 149.601,26.71 153.601,26.71 157.601,26.71 161.601,26.71 36.995,27.531 39.475,27.981 35.715,28.211 47.445,28.211 49.715,28.251 45.215,28.281 37.285,28.971 40.675,28.961 41.795,29.011 65.125,29.241 61.765,29.271 67.985,29.271 72.415,29.381 34.245,29.681 15.601,30.71 19.601,30.71 27.601,30.71 31.601,30.71 35.601,30.71 51.601,30.71 79.601,30.71 83.601,30.71 87.601,30.71 91.601,30.71 95.601,30.71 99.601,30.71 111.601,30.71 115.601,30.71 119.601,30.71 135.601,30.71 139.601,30.71 143.601,30.71 147.601,30.71 155.601,30.71 159.601,30.71 42.195,30.771 41.255,30.811 60.515,33.451 67.065,33.481 63.345,33.521 17.601,34.71 21.601,34.71 25.601,34.71 29.601,34.71 37.601,34.71 45.601,34.71 53.601,34.71 73.601,34.71 77.601,34.71 81.601,34.71 85.601,34.71 89.601,34.71 93.601,34.71 97.601,34.71 101.601,34.71 105.601,34.71 109.601,34.71 113.601,34.71 117.601,34.71 125.601,34.71 133.601,34.71 137.601,34.71 149.601,34.71 153.601,34.71 157.601,34.71 161.601,34.71 61.835,35.791 66.305,35.861 63.335,37.951 15.601,38.71 19.601,38.71 27.601,38.71 31.601,38.71 35.601,38.71 47.601,38.71 51.601,38.71 71.601,38.71 75.601,38.71 79.601,38.71 83.601,38.71 87.601,38.71 91.601,38.71 95.601,38.71 99.601,38.71 103.601,38.71 139.601,38.71 155.601,38.71 159.601,38.71 26.105,38.821 59.715,39.491 26.065,40.801 59.985,41.311 61.835,41.461 30.035,41.961 28.205,42.151 17.601,42.71 37.601,42.71 41.601,42.71 45.601,42.71 53.601,42.71 69.601,42.71 73.601,42.71 77.601,42.71 81.601,42.71 85.601,42.71 89.601,42.71 93.601,42.71 97.601,42.71 101.601,42.71 113.601,42.71 117.601,42.71 121.601,42.71 125.601,42.71 149.601,42.71 153.601,42.71 157.601,42.71 161.601,42.71 29.955,43.351 59.675,43.371 121.551,43.67 121.571,44.71 32.595,44.961 15.601,46.71 39.601,46.71 43.601,46.71 51.601,46.71 71.601,46.71 75.601,46.71 83.601,46.71 87.601,46.71 91.601,46.71 95.601,46.71 107.601,46.71 111.601,46.71 115.601,46.71 119.601,46.71 127.601,46.71 131.601,46.71 143.601,46.71 155.601,46.71 159.601,46.71 26.195,47.191 99.185,48.581 96.815,49.561 32.465,50.251 21.601,50.71 25.601,50.71 29.601,50.71 41.601,50.71 45.601,50.71 53.601,50.71 61.601,50.71 65.601,50.71 73.601,50.71 109.601,50.71 113.601,50.71 117.601,50.71 121.601,50.71 125.601,50.71 137.601,50.71 141.601,50.71 145.601,50.71 153.601,50.71 32.615,53.011 94.405,53.231 86.205,53.321 88.765,53.351 91.545,53.371 83.435,53.391 78.995,53.461 81.035,53.461 99.255,53.501 96.795,53.541 15.601,54.71 19.601,54.71 27.601,54.71 35.601,54.71 47.601,54.71 51.601,54.71 75.601,54.71 123.601,54.71 139.601,54.71 147.601,54.71 152.726,54.71 32.595,56.511 122.825,56.811 122.815,58.171 32.595,58.371 17.601,58.71 21.601,58.71 29.601,58.71 37.601,58.71 41.601,58.71 45.601,58.71 49.601,58.71 53.601,58.71 61.601,58.71 77.601,58.71 81.601,58.71 85.601,58.71 89.601,58.71 93.601,58.71 109.601,58.71 113.601,58.71 117.601,58.71 129.601,58.71 133.601,58.71 137.601,58.71 145.601,58.71 149.601,58.71 153.601,58.71 122.735,60.051 122.745,61.001 124.225,61.391 15.601,62.71 19.601,62.71 27.601,62.71 47.601,62.71 67.601,62.71 71.601,62.71 75.601,62.71 135.601,62.71 139.601,62.71 143.601,62.71 147.601,62.71 151.601,62.71 31.915,62.821 40.965,62.951 36.085,62.991 115.422,63.426 118.827,63.431 120.345,63.431 124.745,63.431 117.155,63.461 125.665,63.461 112.385,63.541 87.085,64.221 85.585,64.301 88.455,64.291 84.575,64.361 105.575,64.351 107.195,64.371 109.055,64.371 89.195,65.151 94.785,65.341 77.455,65.461 112.285,65.581 115.135,65.561 79.915,65.781 84.115,65.771 131.575,66.101 17.601,66.71 21.601,66.71 25.601,66.71 29.601,66.71 37.601,66.71 61.601,66.71 105.601,66.71 113.601,66.71 141.601,66.71 145.601,66.71 149.601,66.71 153.601,66.71 135.252,67.02 136.006,67.026 136.759,67.063 137.506,67.17 88.875,67.251 138.241,67.339 46.405,67.401 76.005,67.411 74.235,67.471 76.935,67.501 138.959,67.569 119.125,67.751 139.656,67.857 80.237,67.951 81.137,67.951 82.037,67.951 88.875,68.191 75.575,68.221 140.326,68.202 112.055,68.301 74.145,68.351 140.965,68.601 98.577,68.631 99.558,68.631 100.557,68.651 46.415,68.691 118.035,68.701 94.614,68.781 80.237,68.851 82.037,68.851 106.665,68.961 105.165,69.011 103.755,69.031 141.57,69.053 88.775,69.201 87.055,69.311 134.811,69.322 135.565,69.322 136.319,69.335 77.817,69.426 137.068,69.423 123.955,69.471 142.128,69.559 137.802,69.597 115.215,69.651 80.237,69.751 81.137,69.751 82.037,69.751 84.047,69.871 84.717,69.871 138.511,69.854 142.641,70.111 46.365,70.171 139.186,70.19 115.345,70.401 33.555,70.541 88.835,70.551 139.818,70.601 15.601,70.71 19.601,70.71 27.601,70.71 51.601,70.71 103.601,70.71 135.601,70.71 143.107,70.705 147.601,70.71 151.601,70.71 132.135,70.781 140.399,71.082 143.521,71.335 140.921,71.626 88.815,71.691 123.905,71.891 143.882,71.997 141.377,72.226 118.085,72.311 86.905,72.421 93.265,72.431 96.905,72.521 100.985,72.551 144.187,72.686 141.762,72.874 118.085,72.951 112.495,73.041 98.795,73.051 111.425,73.091 126.005,73.121 100.995,73.171 114.545,73.191 120.177,73.191 122.197,73.191 119.155,73.211 144.433,73.399 142.07,73.563 96.735,73.601 118.115,73.731 84.855,73.851 98.835,74.091 144.616,74.13 142.297,74.282 91.115,74.321 95.505,74.471 123.915,74.451 21.601,74.71 25.601,74.71 29.601,74.71 33.601,74.71 37.601,74.71 41.601,74.71 45.601,74.71 49.601,74.71 61.601,74.71 65.601,74.71 73.601,74.71 89.601,74.71 93.601,74.71 107.115,74.711 137.601,74.71 141.601,74.71 145.601,74.71 149.601,74.71 153.601,74.71 144.73,74.876 126.325,74.931 142.44,75.022 98.835,75.201 95.475,75.211 132.845,75.531 144.782,75.628 142.498,75.774 107.165,75.881 96.755,76.021 93.415,76.081 83.985,76.101 102.415,76.161 82.605,76.181 81.315,76.251 80.045,76.321 105.235,76.321 144.797,76.382 142.495,76.528 111.305,76.851 131.465,76.871 134.145,76.871 144.797,77.136 96.765,77.151 142.495,77.282 105.205,77.541 107.905,77.561 144.797,77.89 92.085,77.921 131.945,78.051 142.495,78.036 99.725,78.451 102.785,78.661 144.797,78.644 15.601,78.71 19.601,78.71 27.601,78.71 31.601,78.71 35.601,78.71 39.601,78.71 51.601,78.71 67.601,78.71 71.601,78.71 83.601,78.71 139.601,78.71 147.601,78.71 151.601,78.71 142.495,78.79 109.525,78.871 144.797,79.398 134.225,79.431 142.495,79.544 144.797,80.152 142.495,80.298 107.055,80.681 144.797,80.906 142.495,81.052 144.797,81.66 142.495,81.806 103.005,82.031 98.795,82.171 101.335,82.301 144.797,82.414 142.495,82.56 17.601,82.71 21.601,82.71 25.601,82.71 29.601,82.71 33.601,82.71 37.601,82.71 41.601,82.71 45.601,82.71 49.601,82.71 61.601,82.71 65.601,82.71 69.601,82.71 77.601,82.71 85.601,82.71 137.601,82.71 141.601,82.71 145.601,82.71 149.601,82.71 153.601,82.71 126.885,83.031 114.96,83.115 144.797,83.168 142.495,83.314 99.805,83.651 144.797,83.922 126.875,84.001 142.495,84.068 117.485,84.167 144.797,84.676 142.495,84.822 122.045,85.401 119.855,85.431 144.797,85.43 142.495,85.576 122.045,86.111 123.075,86.191 144.797,86.184 142.495,86.33 151.526,86.46 3.601,86.71 7.601,86.71 11.601,86.71 15.601,86.71 19.601,86.71 131.601,86.71 135.601,86.71 139.601,86.71 147.601,86.71 144.797,86.938 142.495,87.084 144.797,87.692 142.495,87.838 144.797,88.446 142.495,88.592 144.797,89.2 142.495,89.346 144.797,89.954 142.495,90.1 1.601,90.71 5.601,90.71 9.601,90.71 13.601,90.71 17.601,90.71 21.601,90.71 25.601,90.71 29.601,90.71 33.601,90.71 37.601,90.71 41.601,90.71 45.601,90.71 49.601,90.71 61.601,90.71 65.601,90.71 73.601,90.71 77.601,90.71 81.601,90.71 85.601,90.71 89.601,90.71 93.601,90.71 97.601,90.71 101.601,90.71 105.601,90.71 109.601,90.71 113.601,90.71 121.601,90.71 129.601,90.71 133.601,90.71 137.601,90.71 141.601,90.71 144.797,90.708 145.601,90.71 148.326,90.76 142.495,90.854 144.797,91.462 142.495,91.608 144.797,92.216 142.495,92.362 144.797,92.97 142.495,93.116 144.797,93.724 142.495,93.87 144.797,94.478 142.495,94.624 3.601,94.71 11.601,94.71 15.601,94.71 27.601,94.71 31.601,94.71 35.601,94.71 39.601,94.71 43.601,94.71 47.601,94.71 51.601,94.71 91.601,94.71 95.601,94.71 99.601,94.71 103.601,94.71 107.601,94.71 111.601,94.71 115.601,94.71 119.601,94.71 123.601,94.71 131.601,94.71 135.601,94.71 139.601,94.71 147.601,94.71 151.601,94.71 155.601,94.71 144.797,95.232 142.495,95.378 144.797,95.986 142.495,96.132 144.797,96.74 142.495,96.886 144.79,97.494 142.506,97.64 144.857,98.245 142.562,98.392 1.601,98.71 5.601,98.71 9.601,98.71 13.601,98.71 17.601,98.71 21.601,98.71 25.601,98.71 141.601,98.71 145.601,98.71 149.601,98.71 153.601,98.71 145.032,98.978 142.693,99.134 145.311,99.678 129.575,99.801 142.901,99.859 126.925,99.881 145.689,100.331 143.186,100.557 136.305,100.671 105.325,100.731 75.725,100.761 102.965,100.761 108.075,100.841 79.985,100.871 86.665,100.911 89.775,100.911 99.825,100.911 146.157,100.922 82.695,100.981 111.255,100.981 71.265,101.091 96.355,101.161 117.765,101.191 143.539,101.223 93.525,101.411 146.706,101.439 143.957,101.85 147.324,101.871 148.001,102.203 144.437,102.433 148.72,102.43 149.464,102.55 150.218,102.575 152.479,102.624 155.521,102.617 156.275,102.617 157.029,102.617 3.601,102.71 7.601,102.71 11.601,102.71 15.601,102.71 19.601,102.71 27.601,102.71 35.601,102.71 39.601,102.71 43.601,102.71 47.601,102.71 51.601,102.71 59.601,102.71 79.601,102.71 87.601,102.71 91.601,102.71 99.601,102.71 107.601,102.71 115.601,102.71 119.601,102.71 143.601,102.71 153.225,102.732 144.972,102.964 69.935,103.091 145.558,103.438 127.965,103.461 67.655,103.621 146.188,103.852 146.857,104.2 147.557,104.479 148.283,104.684 149.026,104.813 149.778,104.863 153.078,104.871 150.532,104.882 151.286,104.894 152.324,104.902 153.616,104.902 154.37,104.919 155.124,104.919 155.878,104.919 156.632,104.919 135.645,105.201 139.745,106.121 5.601,106.71 9.601,106.71 13.601,106.71 17.601,106.71 21.601,106.71 25.601,106.71 41.601,106.71 57.601,106.71 65.601,106.71 69.601,106.71 89.601,106.71 117.601,106.71 127.935,106.901 35.155,107.231 48.285,107.381 135.765,107.791 153.935,107.871 149.705,107.971 119.905,108.071 159.865,108.121 164.355,108.171 168.995,108.201 123.025,108.251 13.535,110.301 21.775,110.321 164.505,110.351 17.775,110.371 60.985,110.501 67.065,111.031 127.935,111.291 159.865,111.311 135.695,111.411 121.375,111.441 147.375,111.461 154.215,111.461 149.635,111.521 85.415,111.621 110.775,111.621 92.535,111.671 74.965,111.691 100.615,111.721
GPIO_BCM5: CON5.29 CON6.29 U6.2 | length 76.2
  Top Layer w0.203: v1(94.057,79.981) 94.677,80.601 v1(94.677,82.161) ; v1(115.057,76.501) 115.057,75.861 115.432,75.486 U6.2@116.797,75.486
  Top Layer w0.254: CON6.29@90.964,103.731 90.964,96.433 92.555,94.841 v1(92.555,94.731)
  Bottom Layer w0.203: CON5.29@90.965,59.968 90.965,68.786 94.162,71.984 94.162,79.876 v1(94.057,79.981) ; v1@94.798,82.156 96.624,82.156 97.297,82.828 97.297,84.485 97.466,84.655 99.312,84.655 99.316,84.652 100.577,84.652 100.581,84.655 107.12,84.655 107.617,84.159 107.617,84.071 107.613,84.067 107.613,82.618 108.338,81.893 108.338,81.495 113.331,76.501 v1(115.057,76.501)
  Bottom Layer w0.254: v1(92.555,94.731) 92.555,89.651 94.265,87.941 94.265,82.624 94.677,82.212 v1(94.677,82.161)
GPIO_FET: R19.2 U6.20 | length 36.2
  Top Layer w0.203: R19.2@103.197,76.101 103.161,76.065 103.161,74.832 103.456,74.537 105.951,74.537 106.627,75.213 106.627,77.826 107.442,78.641 108.485,78.641 109.732,79.888 v1(109.732,80.931) ; v1(121.187,73.121) 121.695,72.614 121.695,68.213 122.231,67.677 123.751,67.677 123.899,67.529 U6.20@123.899,66.432
  Bottom Layer w0.203: v1(109.732,80.931) 109.849,80.931 113.775,77.005 115.453,77.005 117.631,74.827 119.481,74.827 v1(121.187,73.121)
GPIO_FLASH: CON6.32 P4.4 | length 72.9
  Top Layer w0.203: v1(66.176,103.321) v1@66.314,103.321
  Top Layer w0.254: v1(66.105,95.181) 66.176,95.252 v1(66.176,103.321)
  Bottom Layer w0.203: v1(66.176,103.321) 66.176,104.592 70.525,108.941 87.635,108.941 88.285,108.291 88.285,106.41 CON6.32@88.424,106.271
  Bottom Layer w0.254: P4.4@62.962,61.408 P4.4@62.962,61.873 62.962,62.904 62.519,63.348 62.519,93.269 62.962,93.713 62.962,94.888 63.255,95.181 v1(66.105,95.181)